# Altium PCB OBC Development Board.PcbDoc (part 1 of 3) (continued)
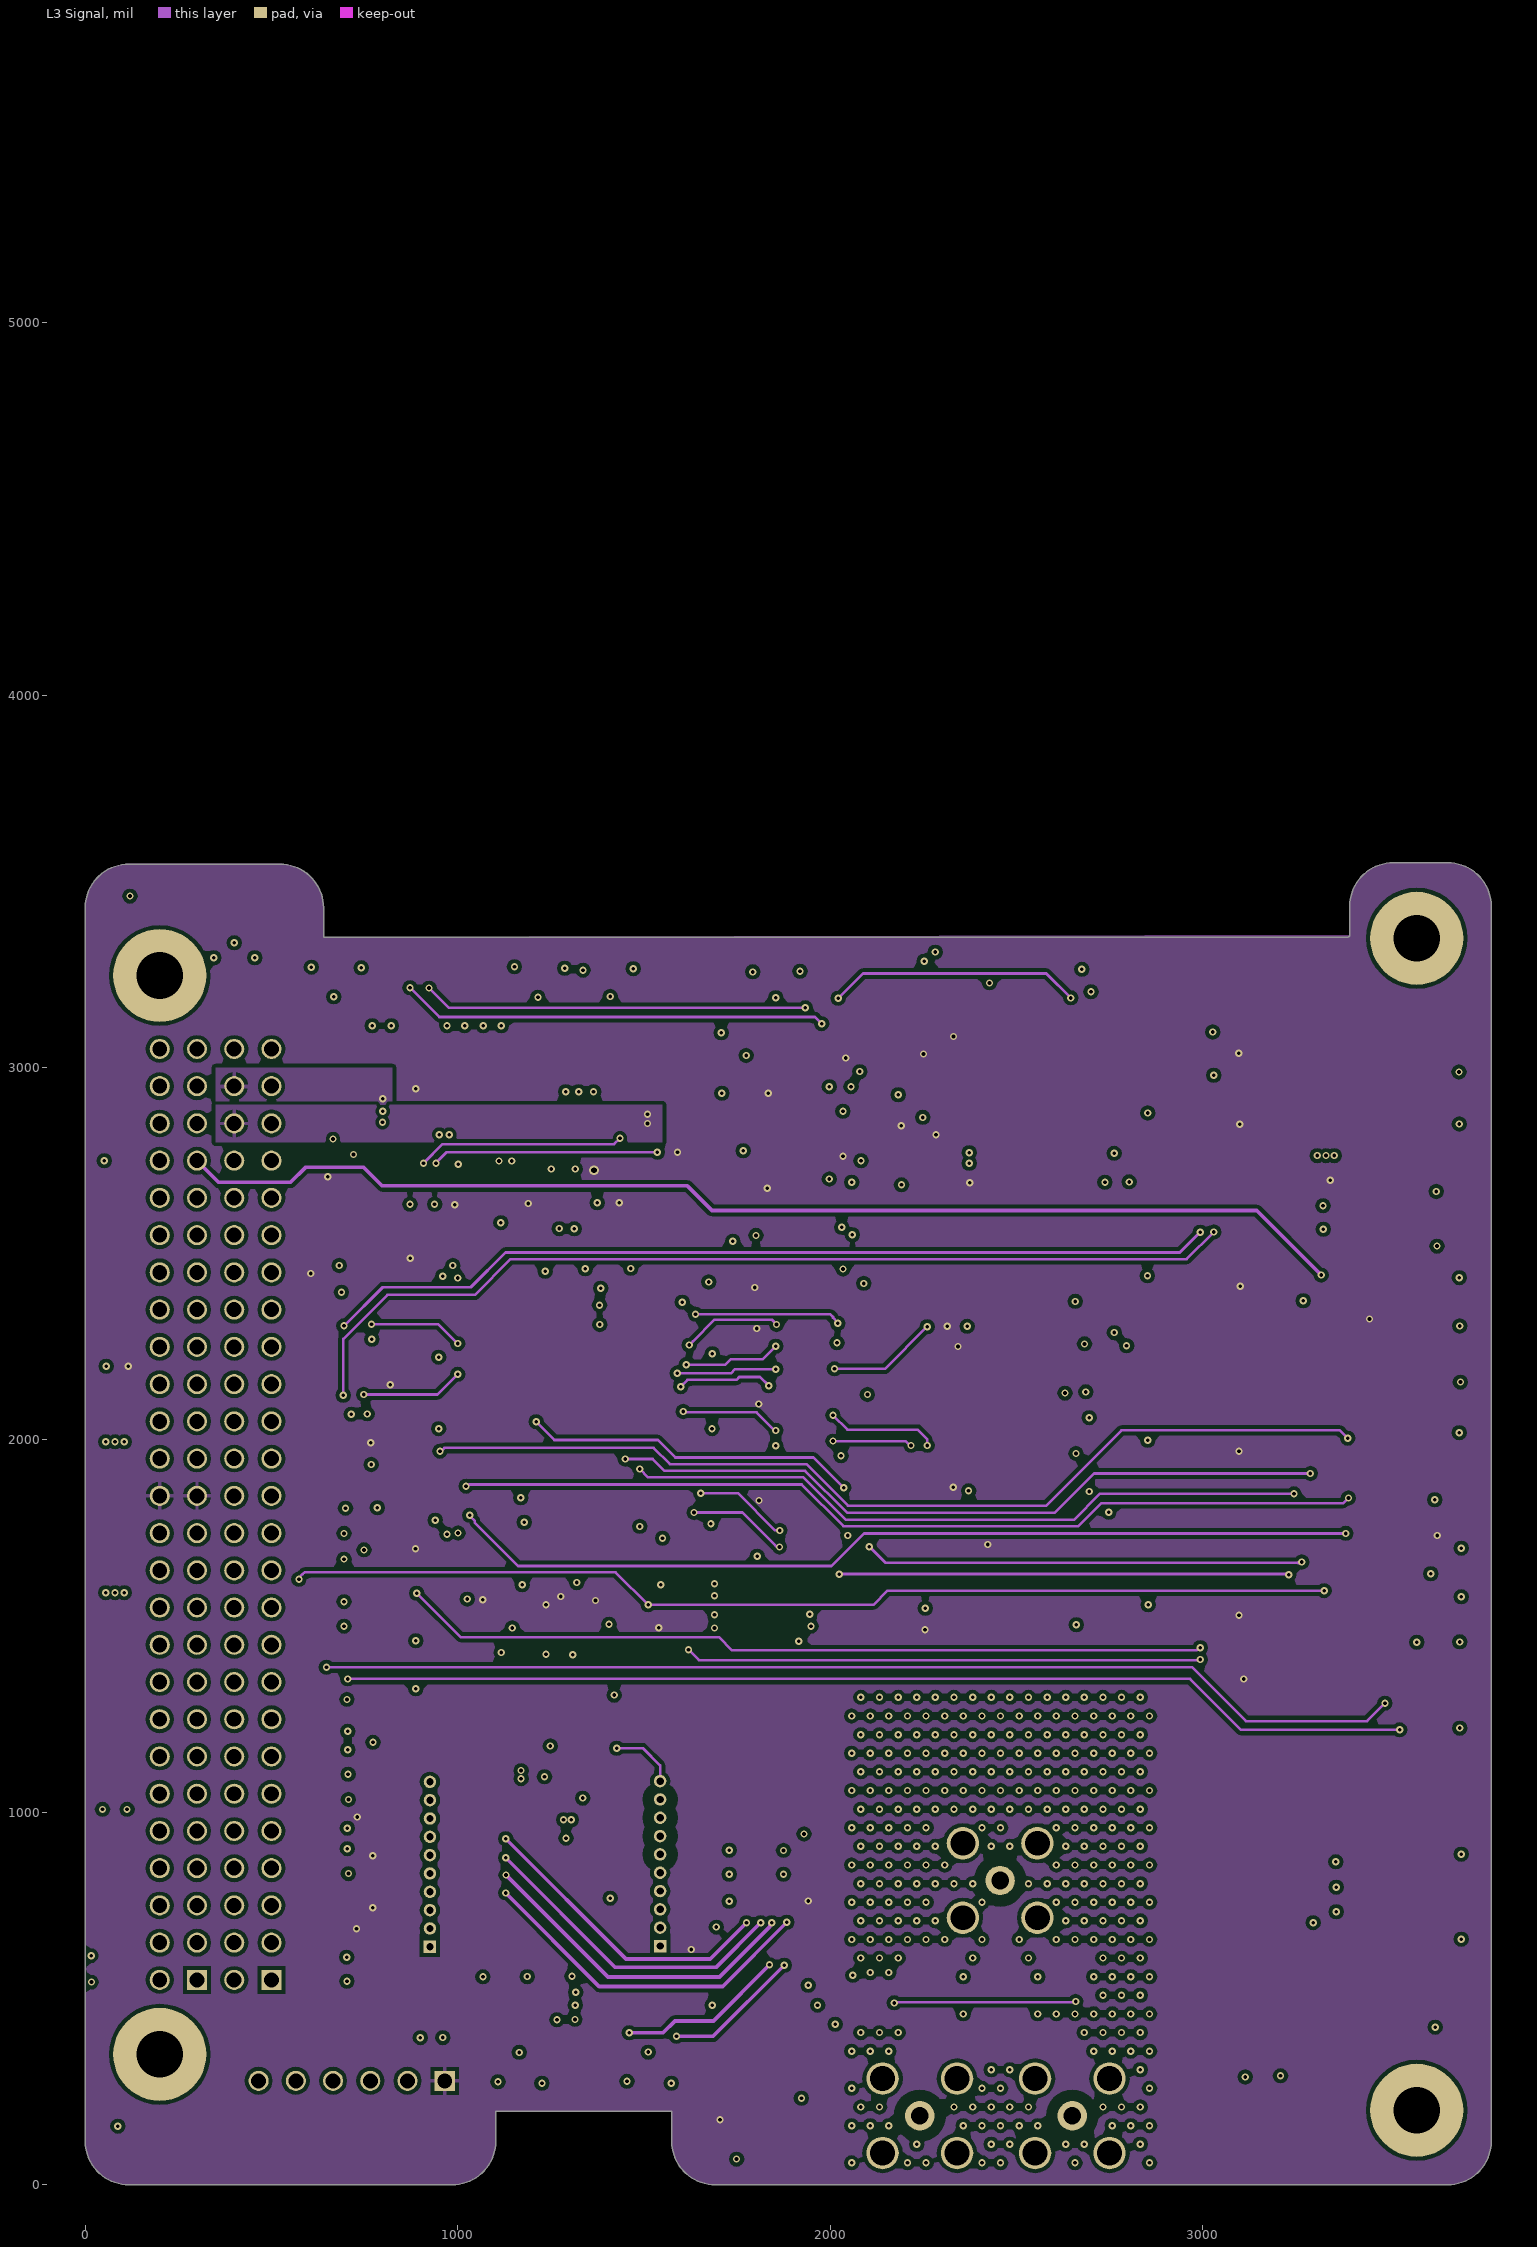
[diagram p3: L3 Signal]
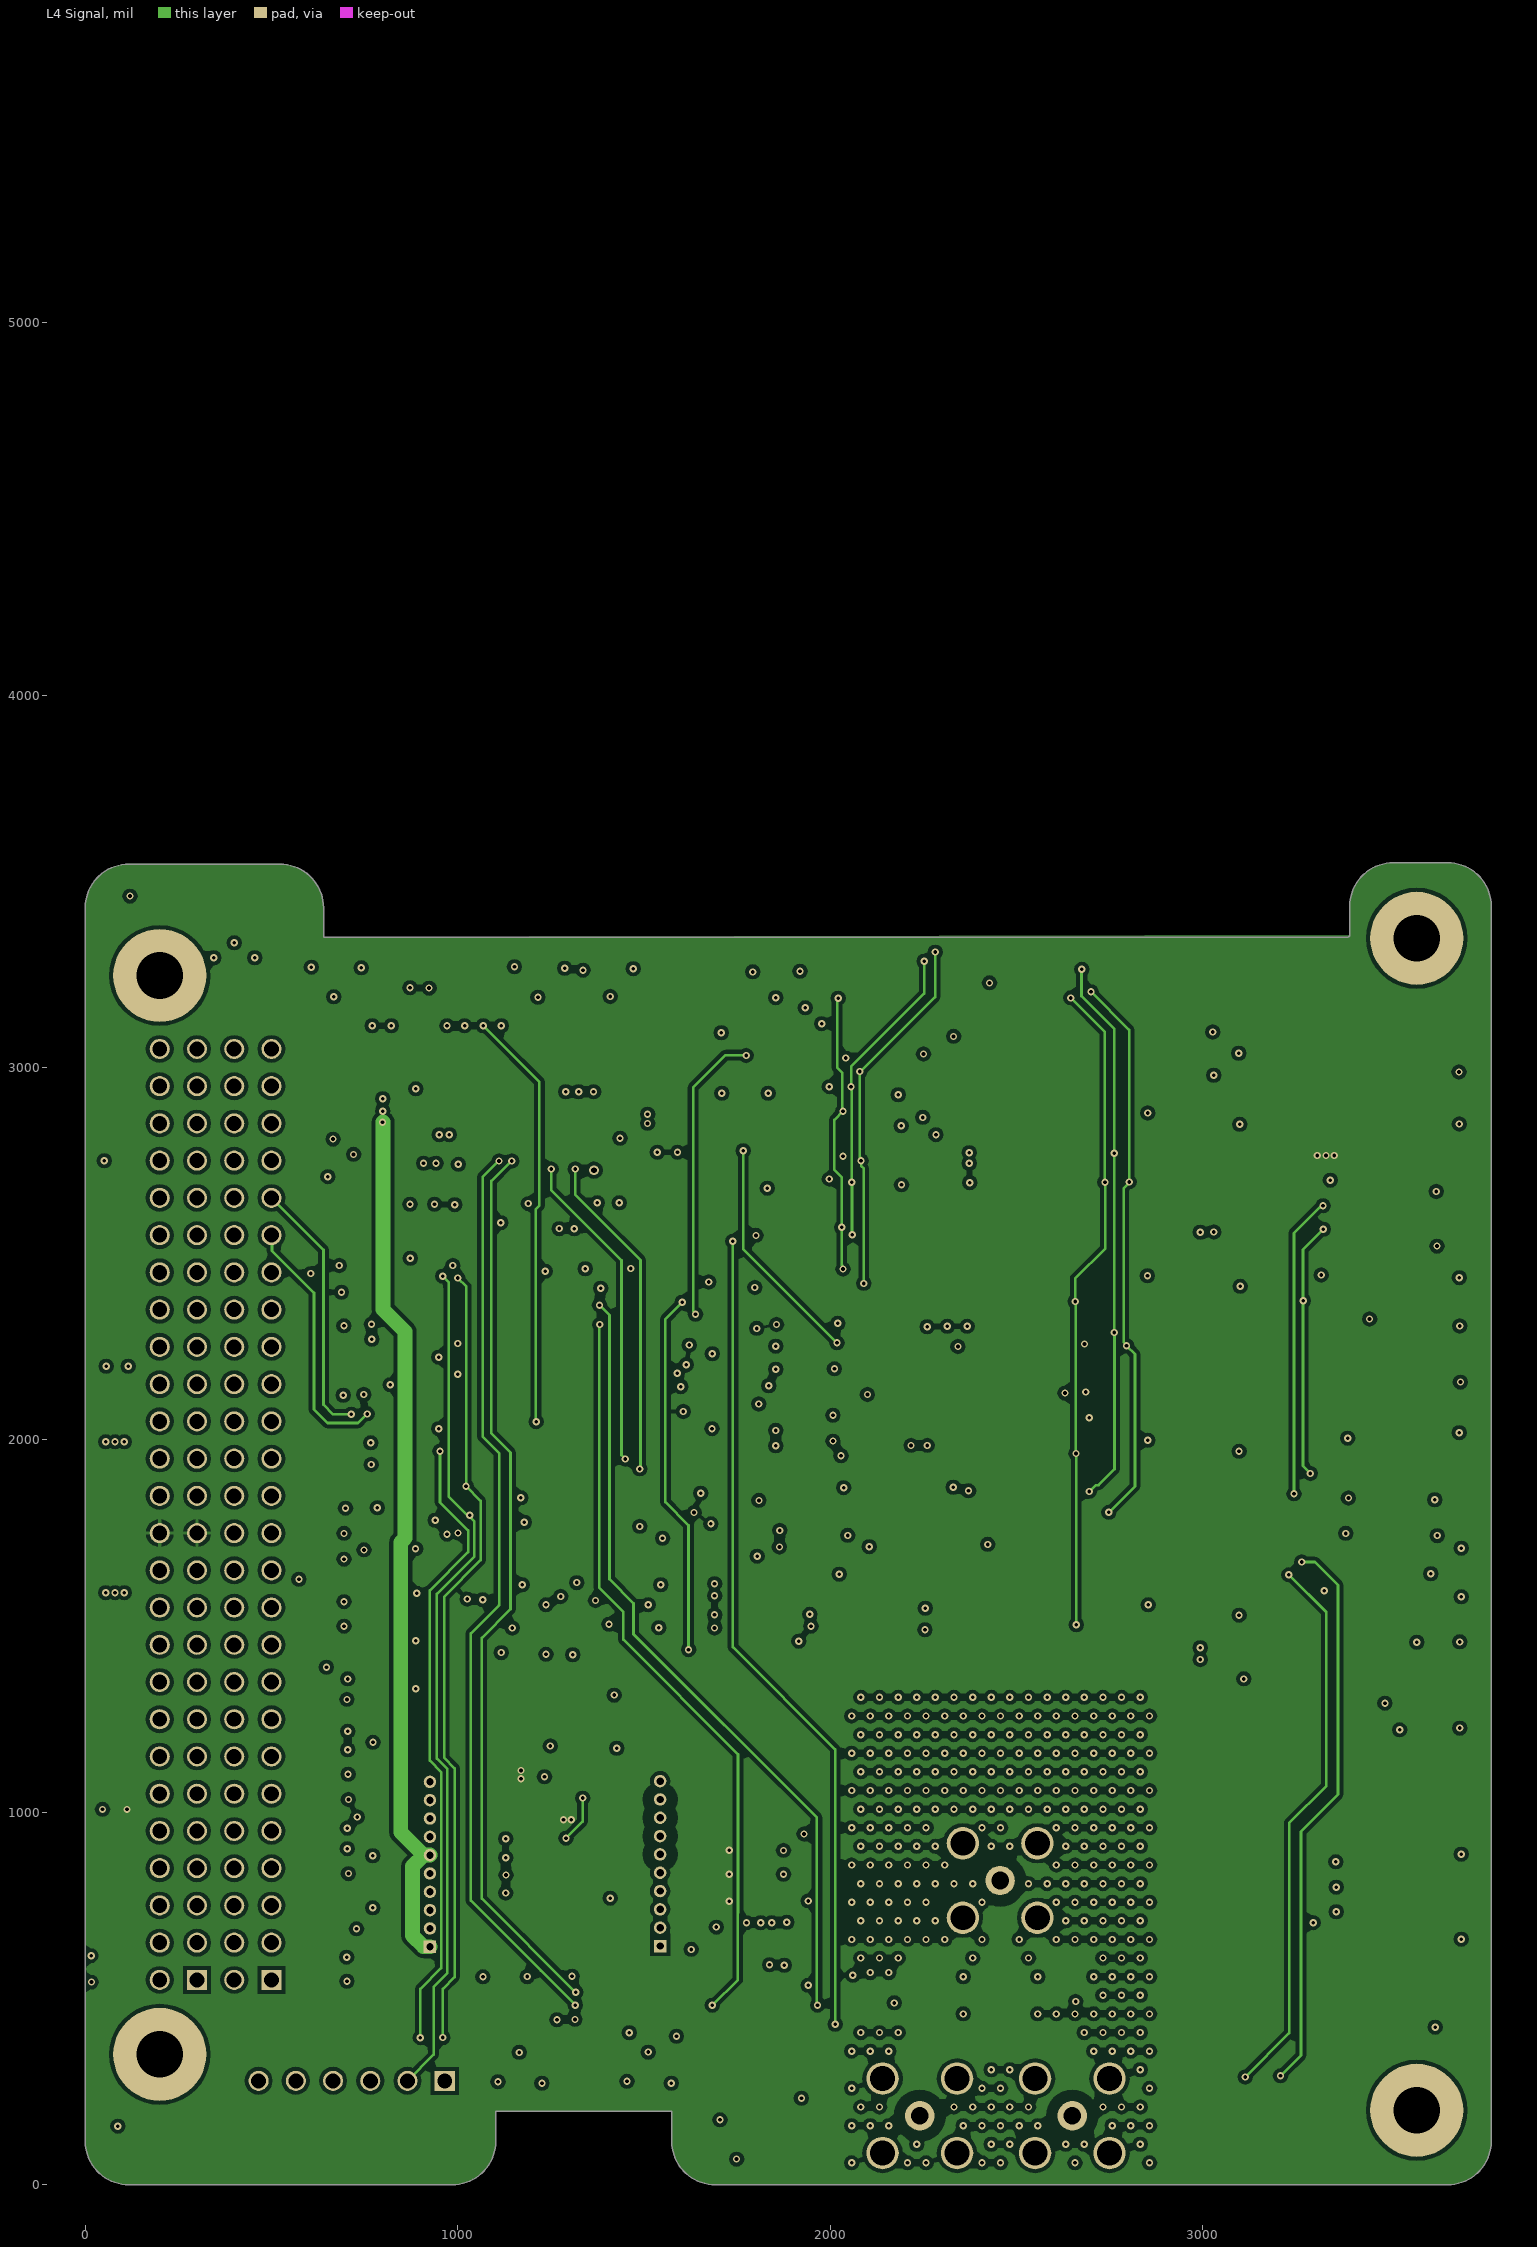
[diagram p4: L4 Signal]
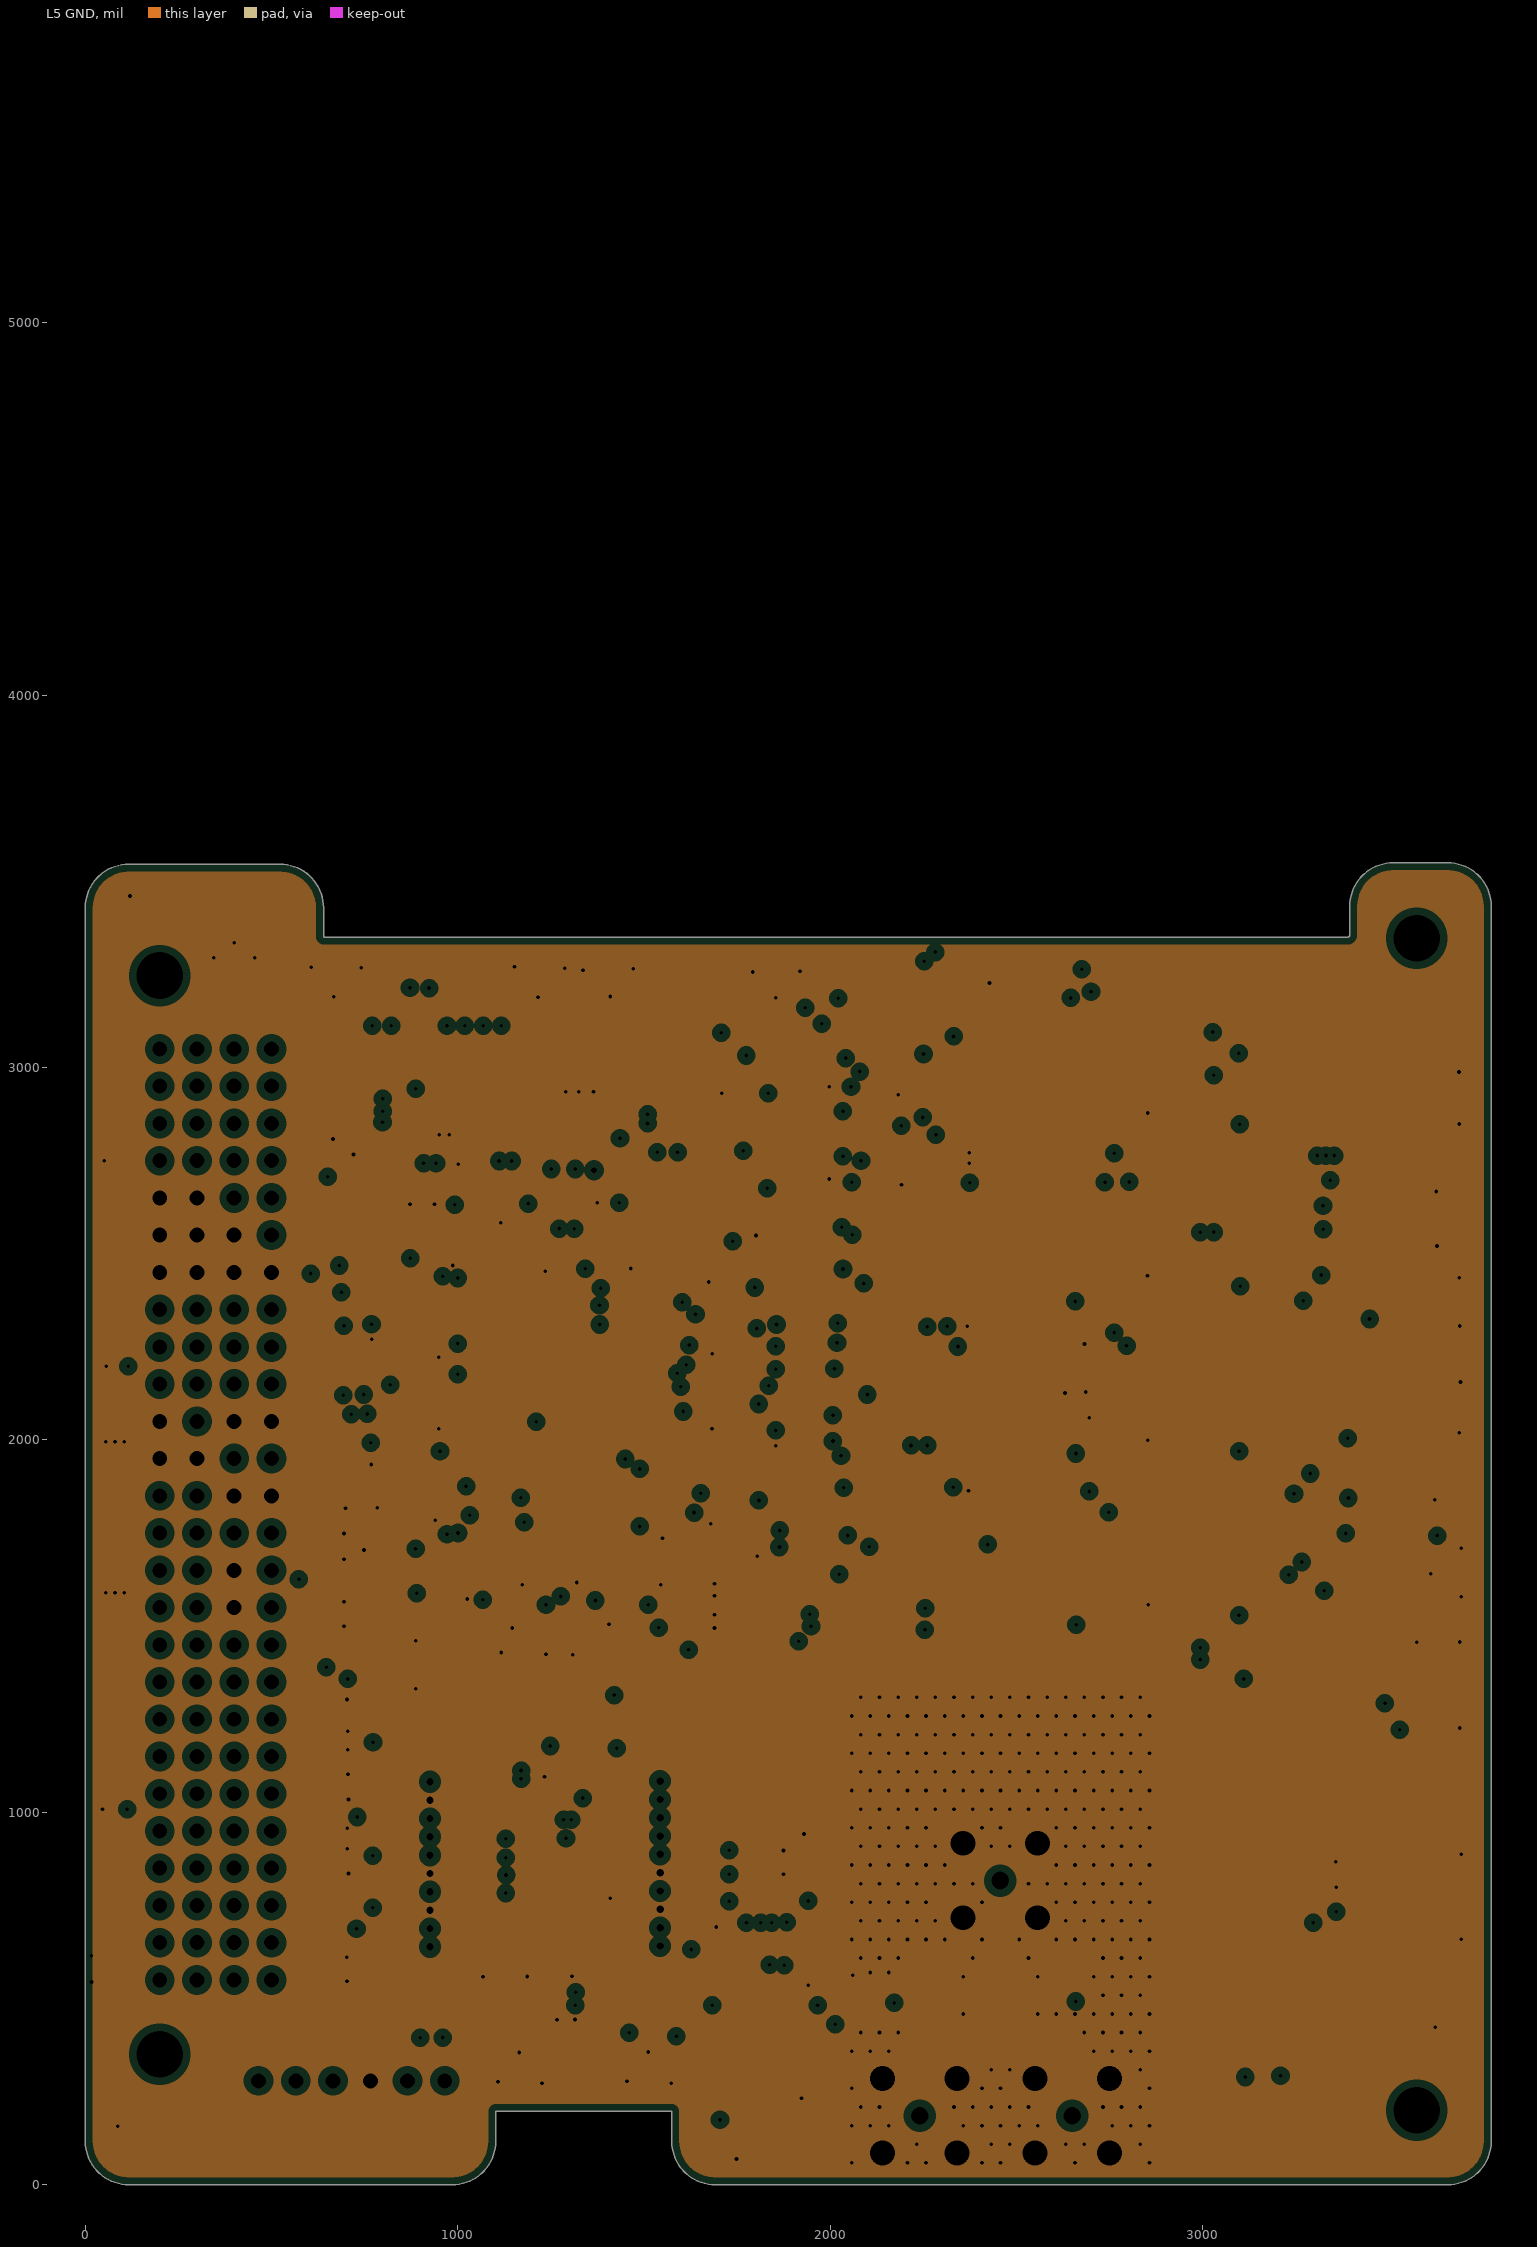
[diagram p5: L5 GND, clearances drawn from the general rule]
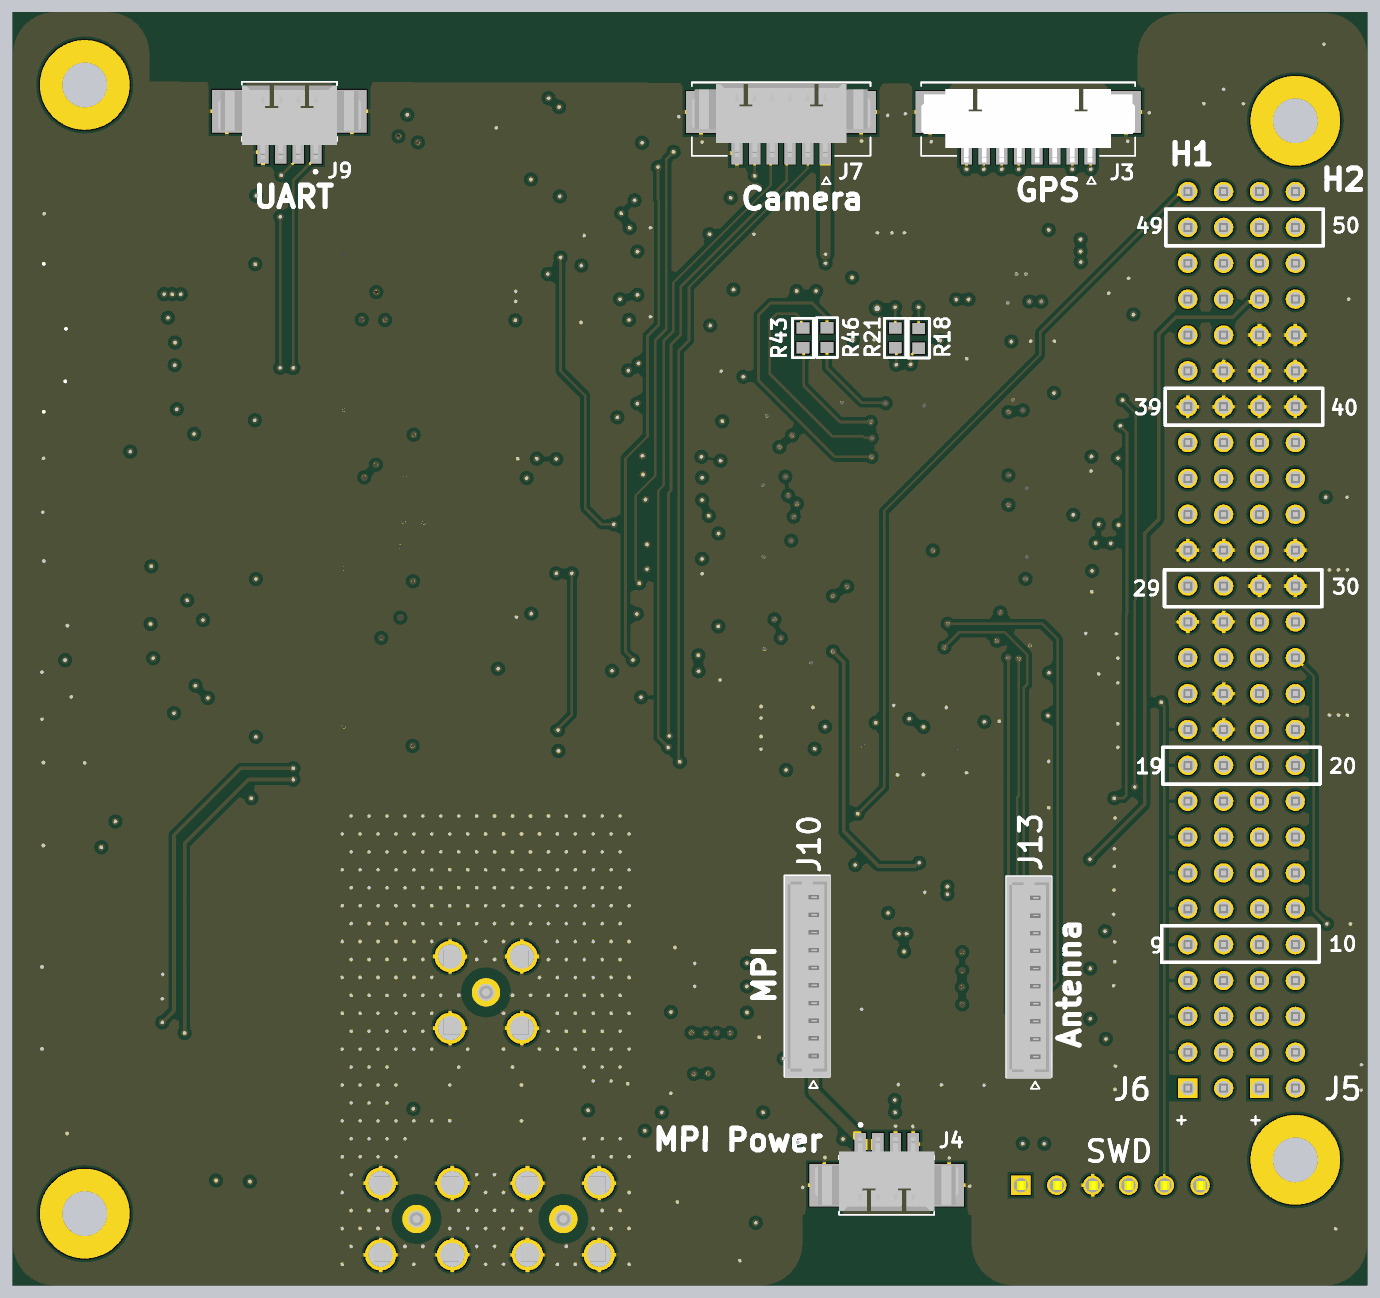
[diagram p8: 3D render of the assembled board from below, using the file's embedded part models]

## Layer stack, top to bottom
Top Solder: solder mask 0.4, Solder Resist, Dk 3.5
L1 Top Layer: signal copper 1.378
Dielectric 2: prepreg 4.5827, PP-006, Dk 4.25
L2 GND: plane copper 0.689, net GND
Dielectric 4: prepreg 5.1181, PP-006, Dk 4.25
L3 Signal: signal copper 0.689
Dielectric 6: prepreg 4.5827, PP-006, Dk 4.25
Dielectric 1: core 27.5591, FR-4, Dk 4.25
Dielectric 7: prepreg 4.5827, PP-006, Dk 4.25
L4 Signal: signal copper 0.689
Dielectric 5: prepreg 5.1181, PP-006, Dk 4.25
L5 GND: plane copper 0.689, net GND
Dielectric 3: prepreg 4.5827, PP-006, Dk 4.25
L6 Bottom Layer: signal copper 1.378
Bottom Solder: solder mask 0.4, Solder Resist, Dk 3.5

## Board outline
117.13,0 cw(c117.13,117.13) 0,117.13 0,3429.13 cw(c117.13,3429.13) 117.13,3546.26 522.64,3546.26 cw(c522.64,3429.13) 639.76,3429.13 639.76,3350.39 3389.76,3350.39 ccw(c3389.76,3356.3) 3395.67,3356.3 3395.67,3433.07 cw(c3512.8,3433.07) 3512.8,3550.2 3658.46,3550.2 cw(c3658.46,3433.07) 3775.59,3433.07 3775.59,116.97 3775.59,117.13 cw(c3658.46,117.13) 3658.46,0 1691.93,0 cw(c1691.93,117.13) 1574.8,117.13 1574.8,196.85 1102.36,196.85 1102.36,117.13 cw(c985.24,117.13) 985.24,0
